# Altium PCB H204_without WiFi.PcbDoc (part 2 of 3)
Units mm, origin at the board's own origin, x right, y up, seen from the top; angles counter-clockwise.
Board outline 25 x 64 mm, 6 copper layers (Top Layer, Signal Layer 2, Internal Plane 3, Internal Plane 4, Signal Layer 5, Bottom Layer), stack 1.611 mm thick; 221 components, 142 nets, 826 pads, 353 vias.
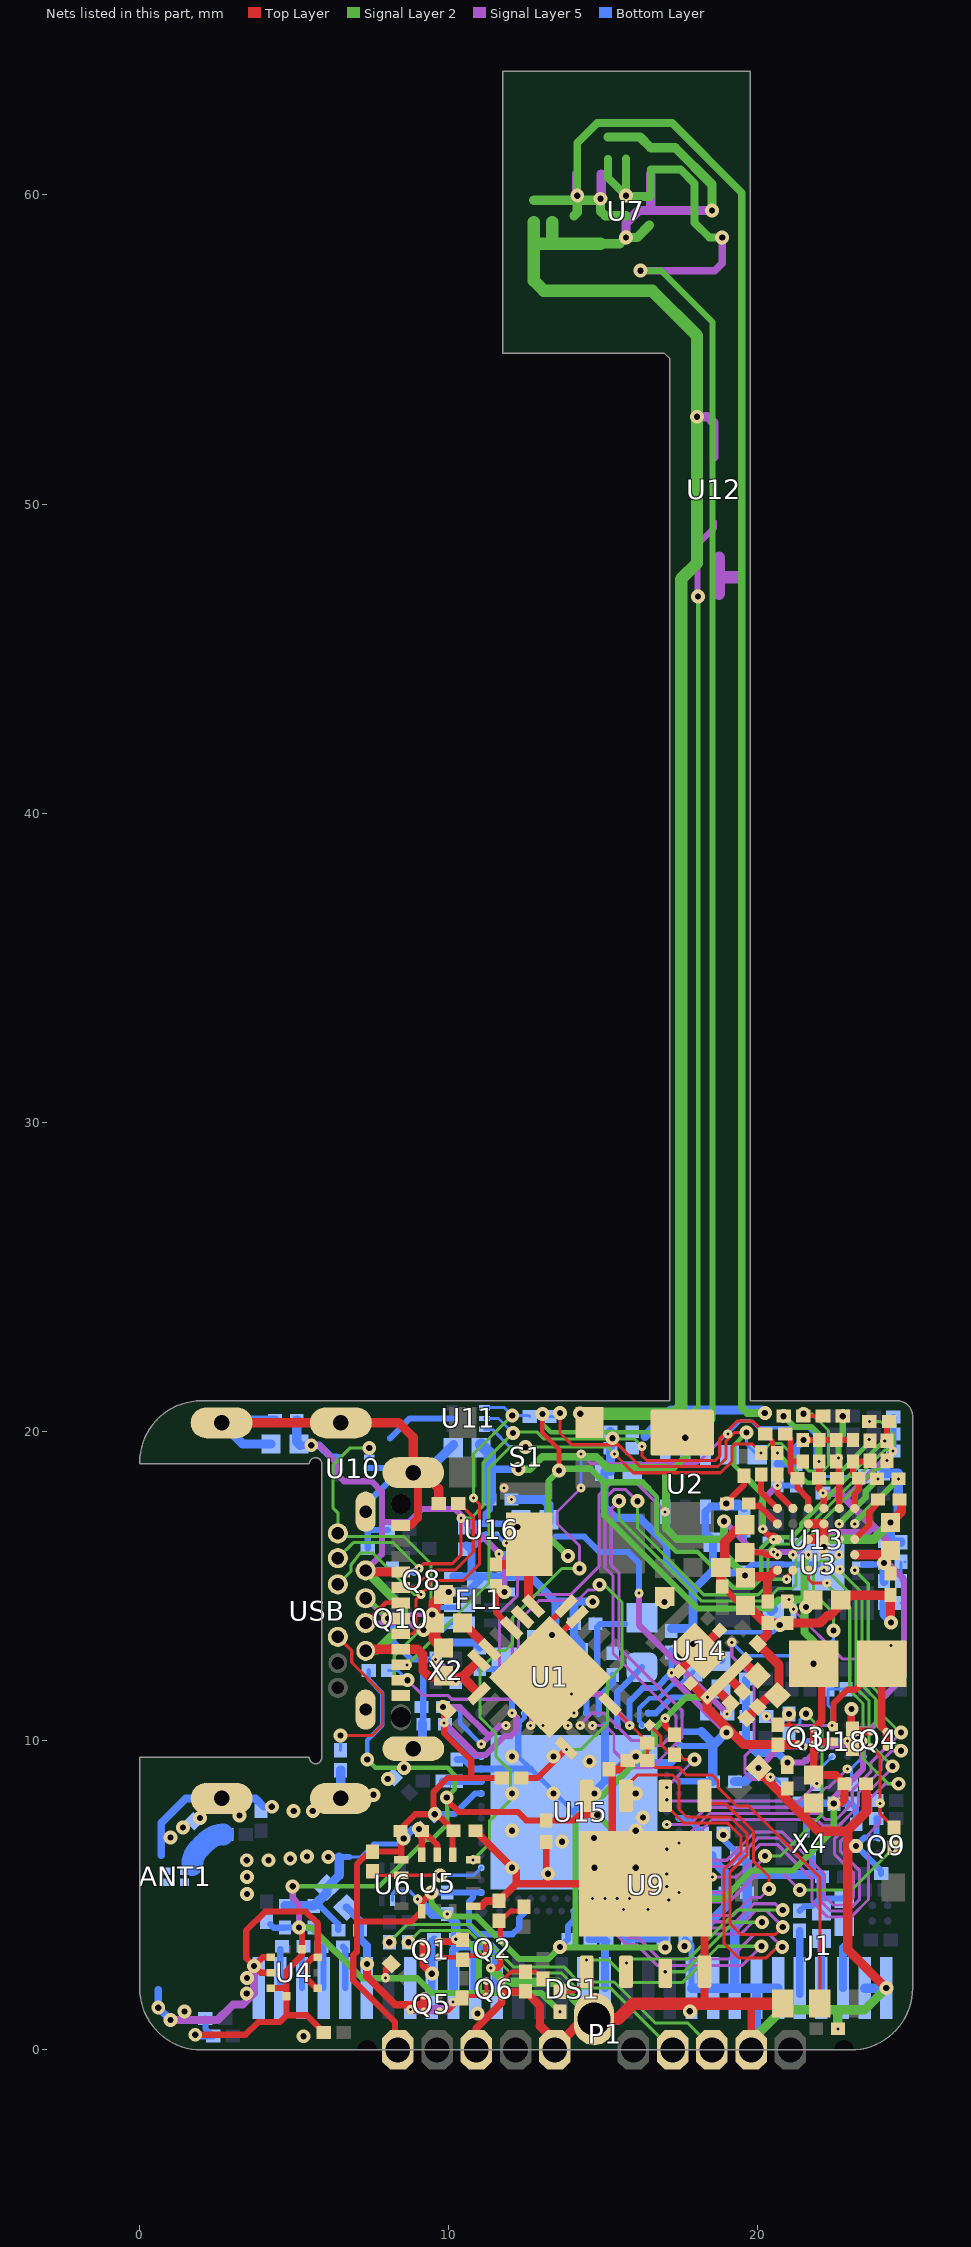
[diagram p6: the nets of this part, all layers, seen from the top]

## Part data (continued)
U3: "Integrated Circuit", Manufacturer=Maxim, Supplier Part Number 1=175-MAX32664GTGD+-ND, Manufacturer Part Number=MAX32664GTGD+, Pricing 1="490=4,49196 (USD)", RoHS=Yes, Supplier 1=Digi-Key
U4: "Pressure Sensor 30kPa to 125kPa Absolute 10-Pin LGA", Capacitance=4.7uF, Case/Package=LGA, Case Code (Imperial)=0805, Case Code (Metric)=2012, Continuous Drain Current (ID)=4A, Drain to Source Voltage (Vdss)=30V, Input Capacitance=645pF, Manufacturer="Bosch Sensortec", Max Operating Temperature=150°C, Max Power Dissipation=1.4W, Min Operating Temperature=-55°C, Operating Pressure=18.13PSI, Ratings=AEC-Q200, Supplier Part Number 1=828-1079-1-ND, Tolerance=20%, Voltage Rating=16V, Category="Pressure Sensors", ComponentLink1Description=https://ae-bst.resource.bosch.com/media/_tech/media/datasheets/BST-BMP388-DS001.pdf?src-supplier=Digi-Key, ComponentLink1URL=https://ae-bst.resource.bosch.com/media/_tech/media/datasheets/BST-BMP388-DS001.pdf?src-supplier=Digi-Key, ComponentLink2Description=https://ae-bst.resource.bosch.com/media/_tech/media/product_flyer/BST-BMP388-FL000-00.pdf?src-supplier=Digi-Key, ComponentLink2URL=https://ae-bst.resource.bosch.com/media/_tech/media/product_flyer/BST-BMP388-FL000-00.pdf?src-supplier=Digi-Key, ComponentLink3Description=https://ae-bst.resource.bosch.com/media/_tech/media/application_notes/BST-BMP380-HS000.pdf?src-supplier=Digi-Key, ComponentLink3URL=https://ae-bst.resource.bosch.com/media/_tech/media/application_notes/BST-BMP380-HS000.pdf?src-supplier=Digi-Key, Features="Soft Termination", Manufacturer Part Number=BMP388, Mount="Surface Mount", Number of Pins=10, Output Type=SPI,I2C, Packaging="Tape and Reel", Port Style="No Port", Pressure Type=Absolute, Pricing 1="1=3,990000, 5=3,520000, 10=3,108000, 25=2,522000, 50=2,228800, 100=2,170000 (USD)", Rds On Max=50mR, RoHS=No, Supplier 1=Digi-Key, Termination=SMD/SMT
U5: "BMI270 Series 3.6 V 685 µA Smart Ultra-low Power Inertial Measurement Unit", Manufacturer="Bosch Sensortec", Supplier Part Number 1=828-1091-1-ND, Manufacturer Part Number=BMI270, RoHS=No, Supplier 1=Digi-Key
U6 U10 U11: library part SP0505BAJTG, "ESD Suppressors Five CH Space Saving ESD Protect Device", Breakdown Voltage=6V, Capacitance=8.4pF, Clamping Voltage=15.6V, Manufacturer="Texas Instruments", Max Operating Temperature=125°C, Max Power Dissipation=40W, Min Operating Temperature=-40°C, Operating Supply Voltage=5.5V, Package Quantity=5000, Peak Pulse Current=10A, Power Line Protection=No, Resistor Type=Zener, Reverse Standoff Voltage=5V, Supplier Part Number 1=296-43577-1-ND, Category="Integrated Circuits (ICs)", ComponentLink1Description=https://datasheet.ciiva.com/6577/tpd5e003-6577651.pdf?src-supplier=Digi-Key, ComponentLink1URL=https://datasheet.ciiva.com/6577/tpd5e003-6577651.pdf?src-supplier=Digi-Key, Diode Type=ZENER, Direction=Unidirectional, Lead Free="Lead Free", Manufacturer Part Number=TPD5E003DPFR, Min Breakdown Voltage=6V, Mount="Surface Mount", Number of Bidirectional Channels=4, Number of Channels=5, Number of Pins=6, Number of Unidirectional Channels=5, Packaging="Tape and Reel", Peak Pulse Power=40W, Polarity=Unidirectional, Pricing 1="1=0,65000, 10=0,56000, 100=0,41850, 500=0,32882, 1000=0,25408, 2000=0,24675 (USD)", RoHS=Yes, RoHS Compliant=Yes, Series=-, Stock 1=1694, Supplier 1=Digi-Key, Termination=SMD/SMT, Working Voltage=5V
U7: "Analog Circuit, 1 Func", Manufacturer=Maxim, Max Operating Temperature=85°C, Max Supply Voltage=2V, Min Operating Temperature=-40°C, Min Supply Voltage=1.7V, Supplier Part Number 1=MAX30101EFD+-ND, Category=Sensors, ComponentLink1Description=http://www.farnell.com/datasheets/2064242.pdf?src-supplier=Farnell, ComponentLink1URL=http://www.farnell.com/datasheets/2064242.pdf?src-supplier=Farnell, ComponentLink2Description=http://www.farnell.com/datasheets/2064242.pdf?src-supplier=Element14, ComponentLink2URL=http://www.farnell.com/datasheets/2064242.pdf?src-supplier=Element14, ComponentLink3Description=https://datasheets.maximintegrated.com/en/ds/MAX30101.pdf?src-supplier=Digi-Key, ComponentLink3URL=https://datasheets.maximintegrated.com/en/ds/MAX30101.pdf?src-supplier=Digi-Key, ComponentLink4Description=http://datasheets.maximintegrated.com/en/ds/MAX30101.pdf?src-supplier=Newark, ComponentLink4URL=http://datasheets.maximintegrated.com/en/ds/MAX30101.pdf?src-supplier=Newark, ComponentLink5Description=http://datasheets.maximintegrated.com/en/ds/MAX30101.pdf?src-supplier=Mouser, ComponentLink5URL=http://datasheets.maximintegrated.com/en/ds/MAX30101.pdf?src-supplier=Mouser, ComponentLink6Description=http://datasheets.maximintegrated.com/en/ds/MAX30101.pdf?src-supplier=Avnet+Europe, ComponentLink6URL=http://datasheets.maximintegrated.com/en/ds/MAX30101.pdf?src-supplier=Avnet+Europe, ComponentLink7Description=http://datasheets.maximintegrated.com/en/ds/MAX30101.pdf?src-supplier=Avnet, ComponentLink7URL=http://datasheets.maximintegrated.com/en/ds/MAX30101.pdf?src-supplier=Avnet, ComponentLink8Description=http://datasheets.maximintegrated.com/en/ds/MAX30101.pdf?src-supplier=Component+Sense, ComponentLink8URL=http://datasheets.maximintegrated.com/en/ds/MAX30101.pdf?src-supplier=Component+Sense, Manufacturer Part Number=MAX30101EFD+, Number of Pins=14, Pricing 1="1=8,97000, 10=8,10600, 25=7,72840, 364=6,40901, 728=5,84350, 1092=5,08950 (USD)", REACH SVHC="No SVHC", RoHS=Yes, Stock 1=3923, Supplier 1=Digi-Key
U9: "NOR Flash Serial (SPI, Dual SPI, Quad SPI) 3V/3.3V 128M-bit 16M x 8 6ns 8-Pin WSON EP T/R/Tray/Tube", Frequency=133MHz, Manufacturer=Winbond, Max Operating Temperature=85°C, Min Operating Temperature=-40°C, Supplier Part Number 1=W25Q128JVPIQ-ND, Category=Flash, ComponentLink1Description=http://www.winbond.com/resource-files/w25q128jv%20revf%2003272018%20plus.pdf?src-supplier=Digi-Key, ComponentLink1URL=http://www.winbond.com/resource-files/w25q128jv%20revf%2003272018%20plus.pdf?src-supplier=Digi-Key, Manufacturer Part Number=W25Q128JVPIQ, Memory Size=128Mb, Memory Type=Non-Volatile,FLASH, Mount="Surface Mount", Packaging=Rail/Tube, Pricing 1="1=1,97000, 10=1,79800, 25=1,74960, 50=1,74080, 100=1,55600, 250=1,55152, 500=1,52810, 1000=1,46322, 5000=1,36231 (USD)", RoHS=Yes, RoHS Compliant=Yes, Stock 1=2886, Supplier 1=Digi-Key
U12: "±0.1°C accurate digital temperature sensor with integrated NV memory 6-WSON 0 to 85", Manufacturer="Texas Instruments", Max Operating Temperature=150°C, Min Operating Temperature=-55°C, Supplier Part Number 1=296-52215-1-ND, Category="Integrated Circuits (ICs)", ComponentLink1Description=http://www.ti.com/lit/gpn/tmp117?src-supplier=Digi-Key, ComponentLink1URL=http://www.ti.com/lit/gpn/tmp117?src-supplier=Digi-Key, Manufacturer Part Number=TMP117MAIDRVT, Mount="Surface Mount", Output Type=I2C, Packaging="Tape and Reel", Pricing 1="1=4,89000, 5=4,31400, 10=3,81100, 25=3,09160, 50=2,73220, 100=2,66030 (USD)", Resolution=16b, RoHS=Yes, RoHS Compliant=Yes, Stock 1=4230, Supplier 1=Digi-Key
U13: "Biopotential/bioz Afe, WLP-30", Manufacturer=Maxim, Manufacturer_Name="Maxim Integrated", Mouser Part Number=700-MAX30001CWV+, Supplier Part Number 1=MAX30001CWV+-ND, Category=Sensors, Datasheet Link=https://datasheets.maximintegrated.com/en/ds/MAX30001.pdf, Height=0.69mm, Manufacturer_Part_Number=MAX30001CWV+, Manufacturer Part Number=MAX30001CWV+, Mouser Price/Stock=https://www.mouser.co.uk/ProductDetail/Maxim-Integrated/MAX30001CWV%2b?qs=gt1LBUVyoHlQ9wjGIPyD2Q%3D%3D, Pricing 1="1=9,16000 (USD)", RoHS=Yes, RoHS Compliant=Yes, Stock 1=1, Supplier 1=Digi-Key
U14: "Conv DC-DC Single Step Down 2V to 6V 6-Pin CL-2025-02 T/R", Manufacturer=Torex, Max Input Voltage=6V, Max Operating Temperature=85°C, Max Output Current=600mA, Min Input Voltage=2V, Min Operating Temperature=-40°C, Mouser Part Number=865-XCL206A333CR-G, Supplier Part Number 1=893-1403-1-ND, Voltage - Output 1=3.3V, Category="Board Mount Modules", ComponentLink1Description=https://www.torexsemi.com/file/xcl206/XCL205-XCL206-XL207.pdf?src-supplier=Digi-Key, ComponentLink1URL=https://www.torexsemi.com/file/xcl206/XCL205-XCL206-XL207.pdf?src-supplier=Digi-Key, Datasheet Link=https://www.torexsemi.com/file/xcl206/XCL205-XCL206-XCL207.pdf, Efficiency=90%, Height=1.04mm, Manufacturer_Name=Torex, Manufacturer_Part_Number=XCL206A333CR-G, Manufacturer Part Number=XCL206A333CR-G, Mount="Surface Mount", Mouser Price/Stock=https://www.mouser.co.uk/ProductDetail/Torex-Semiconductor/XCL206A333CR-G/?qs=AsjdqWjXhJ9IhOCsNg2OkA%3D%3D, Number of Outputs=1, Packaging="Cut Tape", Pricing 1="1=2,74000, 10=2,45800, 25=2,31880, 100=1,97560, 250=1,85500, 500=1,62312, 1000=1,34488 (USD)", RoHS=Yes, RoHS Compliant=Yes, Stock 1=3329, Supplier 1=Digi-Key
U15: "Multi-protocol Bluetooth Low Energy, IEEE 802.15.4, ANT and 2.4GHz proprietary system-on-chip", Manufacturer="Nordic Semiconductor", Manufacturer Part Number=NRF5340-QKAA-R, Supplier Part Number 1=1490-NRF5340-QKAA-RDKR-ND, Category="RF Receivers, Transceivers", Component Class=nRF_Devices, Footprint Doc=AQFN-98, Pad Count=98, Part Number=nRF5340-QKAA, Pricing 1="1=8,66000, 10=7,93800, 25=7,21600, 100=6,49440, 250=5,95320, 500=5,41200, 1000=4,92000 (USD)", Supplier 1=Digi-Key
U16: library part LP5907UVX-1.6_NOPB, "IC REG LINEAR 1.8V 250MA 4DSBGA", Case/Package=SMD/SMT, Dropout Voltage=50mV, Manufacturer="Texas Instruments", Manufacturer Part Number=LP5907UVX-1.8/NOPB, Max Input Voltage=5.5V, Max Operating Temperature=125°C, Max Output Current=250mA, Min Input Voltage=2.2V, Min Operating Temperature=-40°C, Output Voltage=1.8V, Package Quantity=3000, Quiescent Current=25uA, Supplier Part Number 1=296-35634-1-ND, Accuracy=2%, Category="Voltage Regulators - Linear", ComponentLink1Description=https://datasheet.ciiva.com/6597/lp5907-6597398.pdf?src-supplier=Digi-Key, ComponentLink1URL=https://datasheet.ciiva.com/6597/lp5907-6597398.pdf?src-supplier=Digi-Key, ComponentLink2Description=https://datasheet.ciiva.com/14278/lp5907-14278557.pdf?src-supplier=Avnet, ComponentLink2URL=https://datasheet.ciiva.com/14278/lp5907-14278557.pdf?src-supplier=Avnet, Lead Free="Lead Free", Mount="Surface Mount", Number of Outputs=1, Output Type=Fixed, Packaging="Tape and Reel", Polarity=Positive, Pricing 1="1=0,69000, 10=0,59200, 25=0,55280, 100=0,44220, 250=0,41064, 500=0,34746, 1000=0,26850 (USD)", Radiation Hardening=No, RoHS=Yes, RoHS Compliant=Yes, Supplier 1=Digi-Key
U18: "UNIVERSAL BI-DIRECTIONALEVEL", High Level Output Current=-20uA, Low Level Output Current=1mA, Manufacturer=Diodes, Manufacturer_Name="Diodes Inc.", Max Operating Temperature=85°C, Min Operating Temperature=-40°C, Mouser Part Number=729-PI4ULS3V204GAEX, Supplier Part Number 1=PI4ULS3V204GAEXDICT-ND, Arrow Part Number=PI4ULS3V204GAEX, Arrow Price/Stock=https://www.arrow.com/en/products/pi4uls3v204gaex/diodes-incorporated, Category="Integrated Circuits (ICs)", ComponentLink1Description=https://www.diodes.com/assets/Datasheets/PI4ULS3V204.pdf?src-supplier=Digi-Key, ComponentLink1URL=https://www.diodes.com/assets/Datasheets/PI4ULS3V204.pdf?src-supplier=Digi-Key, ComponentLink2Description=https://www.pericom.com/assets/Datasheets/PI4ULS3V204.pdf?src-supplier=Avnet+Asia, ComponentLink2URL=https://www.pericom.com/assets/Datasheets/PI4ULS3V204.pdf?src-supplier=Avnet+Asia, Datasheet Link=https://www.diodes.com/assets/Datasheets/PI4ULS3V204.pdf, Height=0.625mm, Lead Free="Lead Free", Logic Function="Level Shifter", Manufacturer_Part_Number=PI4ULS3V204GAEX, Manufacturer Part Number=PI4ULS3V204GAEX, Mount="Surface Mount", Mouser Price/Stock=https://www.mouser.co.uk/ProductDetail/Diodes-Incorporated/PI4ULS3V204GAEX?qs=A65YvgP4j%252BEWb8XHzZsSTA%3D%3D, Packaging="Tape and Reel", Pricing 1="1=1,05000, 10=0,93800, 25=0,89040, 100=0,73140, 250=0,68368, 500=0,60420, 1000=0,47700 (USD)", RoHS=Yes, RoHS Compliant=Yes, Stock 1=3000, Supplier 1=Digi-Key
USB: library part 1054500101, "TE CONNECTIVITY         2129691-1             USB, 3.1 TYPE C, 24POS, RCPT, SMT/TH", Contact Current Rating=5A, Housing Color=Black, Manufacturer="TE Connectivity AMP", Manufacturer Part Number=2129691-1, Max Operating Temperature=85°C, Min Operating Temperature=-30°C, Supplier Part Number 1=A122008DKR-ND, Category=Connectors, Circuit Application=Signal, ComponentLink1Description=http://www.farnell.com/datasheets/1993946.pdf?src-supplier=Farnell, ComponentLink1URL=http://www.farnell.com/datasheets/1993946.pdf?src-supplier=Farnell, ComponentLink2Description=https://media.digikey.com/pdf/Data%20Sheets/Tyco%20Electonics%20AMP%20PDFs/2129691_Dwg.pdf?src-supplier=Digi-Key, ComponentLink2URL=https://media.digikey.com/pdf/Data%20Sheets/Tyco%20Electonics%20AMP%20PDFs/2129691_Dwg.pdf?src-supplier=Digi-Key, ComponentLink3Description=http://www.farnell.com/datasheets/2292385.pdf?src-supplier=Farnell, ComponentLink3URL=http://www.farnell.com/datasheets/2292385.pdf?src-supplier=Farnell, ComponentLink4Description=http://www.alliedelec.com/images/products/datasheets/bm/TE_Connectivity/70718395.pdf?src-supplier=Allied+Electronics, ComponentLink4URL=http://www.alliedelec.com/images/products/datasheets/bm/TE_Connectivity/70718395.pdf?src-supplier=Allied+Electronics, ComponentLink5Description=http://www.farnell.com/cad/1993947.pdf?src-supplier=Element14, ComponentLink5URL=http://www.farnell.com/cad/1993947.pdf?src-supplier=Element14, ComponentLink6Description=http://www.farnell.com/datasheets/1993946.pdf?src-supplier=Element14, ComponentLink6URL=http://www.farnell.com/datasheets/1993946.pdf?src-supplier=Element14, ComponentLink7Description=http://www.farnell.com/datasheets/2292385.pdf?src-supplier=Newark, ComponentLink7URL=http://www.farnell.com/datasheets/2292385.pdf?src-supplier=Newark, ComponentLink8Description=http://www.te.com/commerce/DocumentDelivery/DDEController?Action=showdoc&DocId=Customer+Drawing%7F2129691%7F6%7Fpdf%7FEnglish%7FENG_CD_2129691_6.pdf%7F2129691-1&src-supplier=Avnet, ComponentLink8URL=http://www.te.com/commerce/DocumentDelivery/DDEController?Action=showdoc&DocId=Customer+Drawing%7F2129691%7F6%7Fpdf%7FEnglish%7FENG_CD_2129691_6.pdf%7F2129691-1&src-supplier=Avnet, Connector System=Cable-to-Board, Connector Type=Receptacle, Contact Material="Copper Alloy", Contact Plating=Gold, Gender=Receptacle, Housing Material=Thermoplastic, Lead Free="Lead Free", Length=12.35mm, Mount="Surface Mount", Number of Pins=24, Number of Ports=1, Number of Positions=24, Orientation="Right Angle", Packaging="Tape and Reel", Pitch=0.5mm, Plating=Bright, Plating Thickness=0.75um, Pricing 1="1=2,89000, 10=2,77000, 25=2,53880, 50=2,42340, 100=2,30810, 250=2,01956, 500=1,96186 (USD)", REACH SVHC=Unknown, RoHS=Yes, RoHS Compliant=Yes, Supplier 1=Digi-Key, Termination=Solder, USB Standard="USB 3.1"
X1 X3: library part XTAL_SMD2016_32MHz_8pF_Epson, "Crystal 32.7680Khz 6Pf Smd / Tape & Reel (Tr) Rohs Compliant: Yes", Manufacturer="ECS International", Supplier Part Number 1=XC2284CT-ND, Manufacturer Part Number=ECS-.327-7-1210-TR, Pricing 1="1=1,63000, 10=1,56100, 50=1,52460, 100=1,30680, 500=1,27050, 1000=1,07085, 2500=1,01640 (USD)", RoHS=Yes, Stock 1=200, Supplier 1=Digi-Key
X2: library part XTAL_SMD2016_32MHz_8pF_General, "Crystal 32MHz 7pF ±20ppm ±20ppm 4-Pin Ultraminiature CSMD T/R", Manufacturer="ECS International", Manufacturer Part Number=ECS-320-7-48B-JTM-TR5, Supplier Part Number 1=50-ECS-320-7-48B-JTM-TR5CT-ND, Category=Uncategorized, Component Class=Oscillators, Footprint Doc=XTAL_2016, Pad Count=4, Part Number=XTAL_SMD2016_32MHz_8pF_General, Pricing 1="1=1,25000, 10=1,19500, 50=1,16760, 100=1,00080, 500=0,97300, 1000=0,82010, 2500=0,77840 (USD)", RoHS=No, Stock 1=4973, Supplier 1=Digi-Key
X4: "Oscillator MEMS 0.032768MHz ±100ppm (Stability) LVCMOS 52% 1.8V/2.5V/3.3V 4-Pin SMD T/R", Case/Package=SMD/SMT, Current Rating=1.35uA, Frequency=32.768kHz, Frequency Stability=100ppm, Load Capacitance=10pF, Manufacturer=SiTime, Max Operating Temperature=85°C, Max Supply Current=1.4uA, Max Supply Voltage=3.63V, Min Operating Temperature=-40°C, Min Supply Voltage=1.5V, Mouser Part Number=788-1533AIH4DCC32.76, Package Quantity=1000, Supplier Part Number 1=1473-1239-1-ND, Arrow Part Number=SIT1533AI-H4-DCC-32.768E, Arrow Price/Stock=https://www.arrow.com/en/products/sit1533ai-h4-dcc-32.768e/sitime, Category=Oscillators, ComponentLink1Description=http://www.mouser.com/ds/2/371/SiT1533-datasheet-275337.pdf?src-supplier=Mouser, ComponentLink1URL=http://www.mouser.com/ds/2/371/SiT1533-datasheet-275337.pdf?src-supplier=Mouser, ComponentLink2Description=http://components.arrow.com/part/dataview/0323_07137603?src-supplier=Arrow+Europe, ComponentLink2URL=http://components.arrow.com/part/dataview/0323_07137603?src-supplier=Arrow+Europe, ComponentLink3Description=https://www.sitime.com/datasheet/SiT1533?src-supplier=Digi-Key, ComponentLink3URL=https://www.sitime.com/datasheet/SiT1533?src-supplier=Digi-Key, Datasheet Link=https://www.sitime.com/datasheet/SiT1533, Height=0.6mm, Length=0.079inch, Manufacturer_Name=SiTime, Manufacturer_Part_Number=SIT1533AI-H4-DCC-32.768E, Manufacturer Part Number=SIT1533AI-H4-DCC-32.768E, Max Duty Cycle=52%, Mount="Surface Mount", Mouser Price/Stock=https://www.mouser.co.uk/ProductDetail/SiTime/SiT1533AI-H4-DCC-32768E?qs=5SDzjInHUKoUZz9ePr9JwA%3D%3D, Number of Pins=4, Packaging="Tape and Reel", Pricing 1="1=1,10000, 10=0,97500, 50=0,91160, 100=0,80560, 500=0,76320 (USD)", RoHS=Yes, RoHS Compliant=Yes, Stock 1=75387, Supplier 1=Digi-Key, Termination=SMD/SMT, Width=0.047inch

## Free pads (board coordinates)
  rect 0.3x0.25 on Mech16: 1(1.45,5.776) 1(1.45,5.426)
  rect 0.47x0.42 on Mech16: 1(3.436,6.968) 1(9.161,8.693) 2(2.796,6.968) 2(9.801,8.693)
  rect 0.42x0.47 on Mech16: 1(3.928,7.093)
  rect 0.45x0.4 on Mech16 rot 135: 2(2.247,6.903) 2(8.714,8.326)
  rect 0.4x0.45 on Mech16: 2(10.258,8.692)

## Via types
v1: diameter 0.3, hole 0.1, Signal Layer 5 to Bottom Layer, tented both sides, 123 vias
v2: diameter 0.45, hole 0.2, Top Layer to Bottom Layer, tented both sides, 108 vias
v3: diameter 0.3, hole 0.1, Top Layer to Signal Layer 2, tented both sides, 55 vias
v4: diameter 0.45, hole 0.2, Signal Layer 5 to Bottom Layer, tented both sides, 32 vias
v5: diameter 0.45, hole 0.2, Top Layer to Signal Layer 2, tented both sides, 23 vias
v6: diameter 0.45, hole 0.2, Signal Layer 2 to Signal Layer 5, tented both sides, 12 vias

## Nets (pads, with @x,y where several pads share a name; then routed paths per layer and width w, separated by ;. In a path a pad name is that pad's centre, name@x,y a point inside that pad or via, vN(x,y) a via of type N, cw(c..) or ccw(c..) an arc to the next point about the centre after c; other vN are vias at no path point)
1.8V: C31.1 C34.1 C35.1 C36.1 C40.1 C57.1 C58.1 C61.1 C69.1 C70.1 C74.1 C79.1 C83.1 C85.1 C101.2 C102.1 R35.1 R36.1 R41.1 R42.1 R45.1 R48.1 R49.1 R50.1 U3.11 U3.22 U7.11 U13.D6 U13.E1 U16.A2 U18.B2 U18.C2 | length 101.5
  Top Layer w0.3: C57.1@19.618,15.31 20.31,15.31 ; C79.1@20.31,14.508 20.31,15.31 ; U13.E1@20.55,15.5 20.36,15.31 20.31,15.31 ; U13.E1@20.55,15.517 U13.E1@20.628,15.517 ; U13.D6@23.128,16.017 C61.1@24.145,16.017
  Signal Layer 5 w0.2: v2(18.901,17.101) 19.897,16.105 v1(20.498,16.105) 21.255,16.105 21.9,16.75 23.559,16.75 23.733,16.924 ; v2(20.951,9.3) 21.455,9.3 21.53,9.376 21.559,9.347 22.033,9.821 22.729,9.821 v1(22.9,9.992) 23.284,10.376 23.63,10.376 23.9,10.646 23.9,11.254 24.726,12.08 24.726,15.226 v2@24.197,15.755 ; 22.85,17.856 v1(24.37,19.376)
  Signal Layer 5 w0.25: v6(15.73,59.976) U7.11@15.73,60.676 ; v6(16.2,57.55) 18.598,57.55 18.842,57.794 v6(18.842,58.626) ; v1(22.103,18.01) 22.647,18.01 23.733,16.924 ; 23.45,17.207 24.197,16.46 v2@24.197,15.755
  Signal Layer 2 w0.2: v6(16.2,57.55) 16.867,57.55 18.525,55.892 18.525,20.4 18.325,20.2 18.325,19.854 17.294,18.824 17.025,18.824
  Signal Layer 2 w0.25: v2(12.258,18.785) 12.621,18.785 13.024,19.188 14.771,19.188 15.135,18.824 17.025,18.824 17.025,16.869 17.374,16.52 18.901,16.52 18.901,16.325 18.9,16.025 19.574,15.351 v5(19.576,15.351) ; C85.1@15.15,61.172 15.15,60.556 v6(15.73,59.976) ; C102.1@15.73,61.176 v6(15.73,59.976) ; C40.1@16.493,59.926 15.78,59.926 v6(15.73,59.976) ; v6(18.842,58.626) 18.424,58.626 17.948,59.102 17.948,60.37 17.492,60.826 C101.2@16.53,60.826 16.53,59.976 v6(15.73,59.976) ; 18.9,16.55 v2@18.9,17.097
  Bottom Layer w0.2: C74.1@10.573,17.02 U16.A2@11.194,17.02 11.194,17.348 11.323,17.477 C34.1@11.323,17.805 ; C31.1@19.55,16.805 C70.1@19.55,16.142 19.587,16.105 v1(20.498,16.105) ; U18.C2@22.4,9.992 v1(22.9,9.992) ; U3.22@23.398,15.705 24.147,15.705 C69.1@24.197,15.755 ; v1(24.37,19.376) 24.38,19.386 R49.1@24.38,19.92 R48.1@24.38,20.476
  Bottom Layer w0.25: 11.323,18.758 11.35,18.785 v2(12.258,18.785) ; R45.1@19.614,11.992 R42.1@19.614,10.102 19.614,9.95 19.963,9.601 20.65,9.601 v2(20.951,9.3)
  Bottom Layer w0.3: C35.1@24.074,15.162 v2(24.074,15.755)
  Bottom Layer w0.4: C36.1@11.049,19.576 11.323,19.302 11.323,18.758 C34.1@11.323,17.805
3.3V: C7.1 C37.1 C41.1 C46.1 C50.1 C55.1 C56.1 C68.1 C75.1 C97.2 C98.1 C105.1 D3.2 LS1.2 Q1.S Q3.D R15.2 R19.1 R20.1 R21.1 R24.1 R28.1 R29.1 R30.1 R33.1 R60.1 R61.1 R70.1 R71.1 R74.1 U4.1 U4.6 U4.10 U9.8 U12.5 U13.D3 U16.A1 U18.A2 X4.4 | length 139.7
  Top Layer w0.15: v5(13.026,20.575) 13.026,19.962 13.563,19.425 v5(13.563,18.738)
  Top Layer w0.2: v2(1.797,0.492) 3.421,0.492 3.83,0.901 4.531,0.901 4.75,1.12 ; U4.10@4.238,2 4.73,2 4.75,1.98 ; v2(5.15,3.961) 5.25,3.861 U4.6@5.25,3.263 5.25,3.055 4.75,2.555 4.75,1.98 ; R71.1@5.955,0.567 5.402,1.12 4.75,1.12 ; v3(7.95,2.331) 7.95,2.593 R70.1@8.139,2.781 ; v3(9.673,3.499) R15.2@10.378,3.499 ; v5(9.932,8.17) 9.932,8.084 10.316,7.7 12.231,7.7 12.505,7.426 12.6,7.426 C7.1@13.15,7.426 14.042,7.426 14.216,7.6 v5@14.635,7.6 ; v3(24.101,19.701) 24.168,19.701 24.173,19.696 R60.1@24.177,19.7 24.177,20.259 R61.1@24.243,20.325 ; 4.75,1.12 U4.1@4.75,1.737 4.75,1.98
  Top Layer w0.25: LS1.2@22.007,12.375 22.007,12.105 22.065,12.047 22.065,10.647 Q3.D@21.8,10.382 Q3.D@21.8,9.882 ; D3.2@22.44,9.965 21.883,9.965 Q3.D@21.8,9.882 ; v2(22.45,7.976) 22.676,7.976 22.8,8.1 C56.1@22.8,8.612 22.522,8.89 C46.1@21.8,8.89 Q3.D@21.8,9.882
  Signal Layer 5 w0.2: v2(4.95,5.292) 4.95,4.918 5.15,4.718 v2(5.15,3.961) ; v4(12.215,16.917) 12.91,16.917 v2(13.85,15.978) ; C68.1@18.039,47.1 C97.2@18.039,48.275 18.039,48.689 18.575,49.225 U12.5@18.575,49.425 ; v2(22.45,7.976) 22.45,8.15 23.4,9.1 v1(23.4,9.992)
  Signal Layer 2 w0.15: v2(4.95,5.292) 7.743,5.292 9.25,6.8 9.441,6.8 9.943,7.302 9.943,7.458 9.945,7.46 9.945,8.157 v5(9.932,8.17) 10.193,8.431 10.193,8.89 9.958,9.125 7.627,9.125 v2(7.36,9.392) ; v5(13.026,20.575) 13.026,20.25 13.296,19.98 17.225,19.98 18.064,20.819 v6(18.064,47.014) ; 16.444,18.171 16.725,17.891 16.725,16.745 17.358,16.112 18.044,16.112 19.206,14.95 19.41,14.95 ; 19.41,14.951 19.742,14.951 ; 19.742,14.95 19.797,14.95 20.103,15.256 20.103,16.235 20.454,16.585 21.092,16.585 21.4,16.893 21.4,17.025 24.075,19.701 v3(24.101,19.701)
  Signal Layer 2 w0.2: v2(5.15,3.961) 5.551,3.961 7.192,2.32 8.975,2.32 9.457,1.838 12.997,1.838 v3(13.599,1.237) ; v3(9.673,3.499) 10.619,3.499 10.972,3.145 10.972,1.895 ; v2(13.85,15.978) 13.223,16.605 13.223,18.398 v5(13.563,18.738) 13.625,18.8 14.578,18.8 15.016,18.362 ; v5(14.8,7.6) 15.28,7.12 15.28,5.482 15.87,4.892 18.887,4.892 19.802,5.807 21.137,5.807 22.45,7.12 v2(22.45,7.976) ; 16.448,18.175 16.261,18.362 15.016,18.362 ; v3(21.007,14.567) 20.648,14.567 20.356,14.275 18.058,14.275 15.016,17.317 15.016,18.362
  Signal Layer 2 w0.25: v3(21.007,14.567) 21.501,14.567 ; v3(21.628,16.017) 21.628,15.985 21.501,15.857 21.501,14.567 ; v5(21.8,12.492) 21.8,13.213 21.501,13.512 21.501,14.567
  Bottom Layer w0.15: v2(7.36,9.392) 7.36,10.019 7.85,10.509 7.85,11.542 7.405,11.987 R74.1@7.405,12.275
  Bottom Layer w0.2: v2(1.797,0.492) 1.845,0.444 R21.1@2.376,0.444 2.128,0.692 R20.1@2.128,1.017 ; R24.1@4.223,4.067 4.335,3.955 4.695,3.955 C50.1@4.7,3.96 5.62,3.96 C55.1@5.625,3.955 ; U16.A1@11.544,17.02 C41.1@12.164,17.02 ; R29.1@21.329,7.969 21.573,7.969 X4.4@21.573,7.125 ; R33.1@23.029,7.956 23.175,7.81 C105.1@23.175,7.3
  Bottom Layer w0.25: R29.1@21.329,7.969 21.332,7.972 R28.1@21.9,7.972 21.904,7.976 v2(22.45,7.976) R33.1@22.896,7.976
  other v5: 21.548,14.329
5V_MAX: C24.1 C39.1 C84.1 C87.1 C95.1 C96.1 C99.2 C100.1 U2.1 U7.9 U7.10 | length 58.3
  Signal Layer 5 w0.3: U7.9@14.13,60.676 14.13,60 v6(14.154,59.976) ; v6(14.905,59.876) 14.93,59.901 U7.10@14.93,60.676
  Signal Layer 2 w0.25: v6(14.154,59.976) 14.154,61.679 14.801,62.326 17.224,62.326 19.475,60.075 19.475,20.78 19.649,20.606 v2(20.221,20.606)
  Signal Layer 2 w0.3: C100.1@12.75,59.826 C99.2@13.35,59.826 v6@14.154,59.826 ; C39.1@14.05,59.326 14.048,59.328 14.154,59.434 v6@14.154,59.826 ; v6(14.154,59.976) v6@14.154,59.826 ; v6(14.905,59.876) v6@14.905,59.826 ; C84.1@15.73,59.326 15.055,59.326 14.905,59.476 v6@14.905,59.826 ; v6@14.154,59.826 v6@14.905,59.826
  Bottom Layer w0.3: 16.348,19.85 17.198,20.7 20.127,20.7 v2(20.221,20.606)
5V_USB: C32.1 C45.1 C47.1 FL1.6 Q8.S R7.2 R11.1 U1.1 U1.24 U10.6 USB.A4 USB.A9 USB.B4 USB.B9 | length 37.1
  Top Layer w0.3: USB.B4@7.31,12.91 7.36,12.96 USB.A9@8.45,12.96 8.993,12.96 9.161,12.791 9.161,12.269 9.37,12.06 10.442,12.06 ; USB.B9@7.31,15.51 7.36,15.46 USB.A4@8.45,15.46 ; U1.1@10.972,11.53 10.442,12.06 ; U1.24@10.972,12.59 10.442,12.06
  Signal Layer 5 w0.2: v2(5.55,19.56) 5.802,19.56 6.361,19.001 6.361,18.644 6.61,18.395 7.5,18.395 7.835,18.06 7.835,16.035 USB.B9@7.31,15.51 ; 7.835,17.077 8.714,17.077 9.138,17.5 10.193,17.5 11.626,16.067 v1(11.626,16.046) 11.798,15.875 v4(11.798,14.812) ; v1(16.15,14.776) 16.15,13.745 17.55,12.345 17.55,12.315 v1(18.998,10.867)
  Signal Layer 2 w0.3: USB.B4@7.31,12.91 7.335,12.935 7.703,12.935 8.529,13.761 8.529,14.291 USB.B9@7.31,15.51
  Bottom Layer w0.2: USB.B9@7.31,15.51 8.124,15.51 R7.2@8.173,15.559 8.272,15.46 Q8.S@8.873,15.46 ; v1(11.626,16.046) 12.896,16.046 13.453,16.603 14.384,16.603 14.882,16.105 15.803,16.105 16.15,15.758 v1(16.15,14.776)
  Bottom Layer w0.25: C45.1@5.19,19.56 v2(5.55,19.56) 5.802,19.56 6.192,19.17 U10.6@6.375,19.17
  Bottom Layer w0.3: C47.1@5.08,20.376 5.08,19.67 C45.1@5.15,19.6 C45.1@5.19,19.56
+V_NRF: C1.1 C2.1 C9.1 C12.1 C13.1 C14.1 C15.1 C16.1 C17.1 C18.1 C42.2 C43.1 C44.1 C48.1 C49.1 C103.1 C104.1 P1.1 Q3.S R17.2 R18.2 R25.1 R27.1 R62.2 U5.5 U5.8 U5.12 U14.3 U14.8 U15.A19 U15.AC1 U15.AG1 U15.AJ31 U15.AL3 U15.AL7 U15.AL11 U15.AL17 U15.AL25 U15.B8 U15.B28 U15.C1 U15.E1 U15.E31 U15.L1 U15.N31 U15.U1 | length 88.7
  Top Layer w0.2: P1.1@8.263,0.589 8.263,0.901 6.909,2.255 6.909,3.06 7.025,3.176 7.025,4.157 ; U5.8@8.461,6.15 8.461,6.65 ; v2(9.437,5.092) 9.124,4.779 U5.12@9.124,4.488 8.793,4.157 7.025,4.157 ; R62.2@9.947,10.986 9.85,10.889 9.85,10.247 10.724,9.374 10.723,8.8 ; U5.5@10.124,6.313 10.124,7.059 C49.1@10.157,7.092 9.64,7.609 9.601,7.57 v2(9.545,7.625) ; R17.2@11.705,8.797 9.958,8.797 9.507,8.346 9.507,7.663 v2(9.545,7.625) ; v3(16.999,10.727) 16.999,10.491 R25.1@17.3,10.19 ; 7.025,4.157 7.025,6.002 7.437,6.414 R27.1@7.525,6.414 8.461,6.414 8.461,6.65 ; 8.461,6.65 8.461,7.178 8.909,7.625 v2(9.545,7.625)
  Top Layer w0.3: U14.3@17.824,11.858 U14.8@18.363,11.318 ; U14.8@18.686,11.651 C43.1@19.123,11.215 ; C42.2@19.503,11.59 19.066,12.026 U14.8@18.982,12.026 v3(18.363,11.407) U14.8@18.363,11.318 ; U14.8@19.556,12.545 C44.1@19.992,12.108 ; Q3.S@21.3,9.882 19.539,9.882 18.363,11.058 U14.8@18.363,11.318
  Signal Layer 5 w0.2: v2(9.813,11.095) 9.815,11.092 10.352,11.092 11.3,10.144 ; v1(11.048,9.892) 11.3,10.144 ; v1(11.848,10.492) 11.648,10.492 11.3,10.144 ; v1(13.974,11.516) 14.871,11.516 15.848,10.539 v1(15.848,10.492) ; v1(17.2,12.2) 17.2,12.05 v2(18.977,10.273)
  Signal Layer 2 w0.2: v2(9.437,5.092) 9.437,4.749 9.874,4.312 10.903,4.312 12.277,2.938 13.208,2.938 v2(13.596,3.326) 13.611,3.311 v2(16.998,3.311) ; 14.1,3.326 14.1,7.509 14.799,8.208 14.938,8.208 16.644,9.914 16.644,10.372 v3(16.999,10.727) 17.679,11.407 v3(18.363,11.407)
  Bottom Layer w0.15: v2(9.813,11.095) 10.23,11.095 10.369,10.956 10.369,10.565 11.041,9.892 v1(11.048,9.892)
  Bottom Layer w0.2: v2(9.437,5.092) C18.1@9.95,5.092 10.786,5.092 ; v2(9.545,7.625) C16.1@9.547,7.627 10.177,7.627 10.842,8.292 U15.N31@11.048,8.292 ; U15.AJ31@11.048,5.092 10.786,5.092 ; U15.AL25@12.448,4.492 12.448,4.446 12.275,4.273 12.275,3.96 12.057,3.742 10.973,3.742 10.648,4.067 10.648,4.796 10.786,4.934 10.786,5.092 ; v2(13.596,3.326) 13.85,3.58 13.85,4.005 14.048,4.203 U15.AL17@14.048,4.492 ; U15.A19@13.648,10.892 13.648,11.19 v1(13.974,11.516) 14.3,11.842 C1.1@14.3,12.23 ; U15.AL11@15.248,4.492 15.248,4.363 15.65,3.961 ; v1(15.848,10.492) 15.848,11.28 16.273,11.705 16.705,11.705 v1(17.2,12.2) C2.1@17.2,12.93 ; U15.AL7@16.048,4.492 16.048,4.359 15.65,3.961 ; U15.AL3@16.848,4.492 16.95,4.39 16.95,4.011 ; C9.1@16.95,3.58 15.875,3.58 C13.1@15.8,3.505 15.65,3.655 15.65,3.961 ; U15.AG1@17.448,5.492 17.698,5.492 18.11,5.08 C14.1@18.95,5.08 ; U15.AC1@17.448,6.292 18.5,6.292 18.298,6.494 18.298,6.927 17.733,7.492 U15.U1@17.448,7.492 ; U15.L1@17.448,8.692 C104.1@18.538,8.692 ; U15.E1@17.448,9.892 17.507,9.833 18.538,9.833 18.538,9.892 ; U15.C1@17.448,10.292 18.173,10.292
  Bottom Layer w0.3: C9.1@16.95,3.58 16.95,4.011 16.981,4.042 18.356,4.042 18.95,4.637 C14.1@18.95,5.08 18.95,5.736 18.5,6.186 C103.1@18.5,6.292 ; 18.173,10.292 18.538,9.928 18.538,9.892 ; C104.1@18.538,8.692 18.538,9.833 v2(18.977,10.273)
ANT: C20.2 L6.2 U15.L31 | length 1.2
  Bottom Layer w0.25: L6.2@9.801,8.693 C20.2@10.258,8.692 U15.L31@11.048,8.692
BMA456_INT: R74.2 U10.1 U15.B24 USB.A11 USB.B11 | length 17.7
  Signal Layer 5 w0.1: v2(8.666,11.96) 9.156,11.47 9.968,11.47 10.096,11.342 12.234,11.342 12.648,10.928 v1(12.648,10.492)
  Signal Layer 2 w0.1: v2(7.425,19.474) 6.808,19.474 6.25,18.916 6.25,17.54 6.41,17.38 USB.B11@6.41,16.71 6.41,16.61 8.54,16.61 9.424,15.726 9.424,13.934 8.235,12.745 8.235,12.088 8.363,11.96 v2(8.666,11.96)
  Bottom Layer w0.1: U10.1@7.425,19.17 v2(7.425,19.474) ; R74.2@8.045,12.275 8.351,12.275 v2(8.666,11.96)
Button: D1.1 R25.2 U15.M2 | length 3.3
  Top Layer w0.1: D1.1@16.493,10.506 16.497,10.506 16.853,10.15 16.853,9.89 17.104,9.639 17.364,9.639 17.611,9.392 v2(17.948,9.392)
  Signal Layer 5 w0.1: v1(17.048,8.492) v2(17.948,9.392)
Buzzer: R22.1 U15.AK2 | length 8.6
  Top Layer w0.1: v3(24.348,6.492) 24.345,6.492 R22.1@24.4,6.547
  Signal Layer 5 w0.1: v1@17.048,4.892 17.098,4.842 17.274,4.842 17.324,4.792 19.072,4.792 20.087,5.807 20.719,5.807 v2(21.35,5.176)
  Signal Layer 2 w0.1: v2(21.35,5.176) 23.032,5.176 v3(24.348,6.492)
  other v1: 17.112,4.845
CC1: R72.1 USB.A5 | length 4.6
  Top Layer w0.1: USB.A5@8.45,14.96 8.887,14.96 9.453,15.526 10.206,15.526 10.789,16.109 10.789,17.235 10.348,17.676 R72.1@10.311,17.676
CC2: R73.1 USB.B5 | length 5.4
  Top Layer w0.1: USB.B5@6.41,13.36 6.86,12.91 6.86,12.532 7.85,11.542 7.85,10.509 7.516,10.175 v2(6.5,10.175)
  Bottom Layer w0.1: R73.1@6.5,9.694 v2(6.5,10.175)
D_N: FL1.2 USB.A7 USB.B7 | length 4.8
  Top Layer w0.15: v5(8.031,13.96) USB.A7@8.45,13.96
  Signal Layer 5 w0.15: USB.B7@7.31,14.61 7.84,14.08 v4(9.463,14.08)
  Signal Layer 2 w0.15: USB.B7@7.31,14.61 7.381,14.61 v5(8.031,13.96)
  Bottom Layer w0.15: v4(9.463,14.08) 9.695,14.312 FL1.2@10.339,14.312
D_P: FL1.1 USB.A6 USB.B6 | length 4.6
  Top Layer w0.15: USB.B6@7.31,13.81 7.96,14.46 USB.A6@8.45,14.46
  Signal Layer 5 w0.15: USB.B6@7.31,13.81 8.739,13.81 8.961,13.588 v4(9.177,13.588)
  Bottom Layer w0.15: v4(9.177,13.588) 9.198,13.567 9.798,13.567 10.043,13.812 FL1.1@10.339,13.812
ECG_CSB: U13.E6 U15.AA1 | length 15.1
  Signal Layer 5 w0.1: v1(17.448,6.692) 17.472,6.692 18.43,7.65 21.981,7.65 22.181,7.45 22.525,7.45 23.05,7.975 23.05,8.396 23.65,8.996 23.65,9.289 24.625,10.264 v2(24.625,10.267)
  Signal Layer 2 w0.1: v3(23.128,15.517) 23.567,15.079 23.567,11.883 23.997,11.453 23.997,10.865 24.595,10.267 v2(24.625,10.267)
ECG_FCLK: R69.2 U13.D5 | length 13.4
  Signal Layer 5 w0.1: v1(19.15,13.184) 19.15,12.735 19.875,12.011 19.875,9.799 19.575,9.499 19.575,8.977 19.807,8.744 20.35,8.744 20.398,8.793 v1(20.398,8.825)
  Signal Layer 2 w0.1: v2(22.438,13.567) 22.438,14.146 21.792,14.792 21.792,15.605 22.004,15.817 22.428,15.817 v3(22.628,16.017)
  Bottom Layer w0.1: v1(19.15,13.184) 19.585,12.75 21.118,12.75 21.385,13.017 22.19,13.017 22.438,13.265 v2(22.438,13.567) ; v1(20.398,8.825) 20.523,8.825 20.603,8.744 R69.2@20.775,8.573
ECG_INT: R60.2 U13.D2 U15.B14 | length 25.9
  Signal Layer 5 w0.1: v1(14.648,10.492) 15.056,10.492 15.346,10.202 15.346,9.664 15.893,9.117 16.556,9.117 17.548,10.109 17.548,10.97 15.508,13.01 15.508,15.425 15.253,15.68 15.253,17.503 v2(15.5,17.75)
  Signal Layer 2 w0.1: v2(15.5,17.75) 15.5,17.186 18.161,14.525 20.253,14.525 20.653,14.926 21.116,14.926 21.226,15.036 21.226,15.92 v3(21.128,16.017) 21.825,16.714 21.825,16.837 23.757,18.77 23.887,18.77 v3(24.177,19.06)
ECG_INT2: R61.2 U13.E2 U15.B16 | length 28.8
  Top Layer w0.1: v3(20.926,15.226) 20.926,15.315 U13.E2@21.128,15.517
  Signal Layer 5 w0.1: v1(14.248,10.492) 14.248,10.517 14.624,10.892 15.029,10.892 15.548,10.373 15.548,10.368 15.901,10.015 16.231,10.015 16.396,9.851 16.892,9.851 17.348,10.307 17.348,10.792 15.308,12.832 15.308,15.342 15.053,15.597 15.053,17.844 15.334,18.125 15.725,18.125 v2(16.1,17.75)
  Signal Layer 2 w0.1: v2(16.1,17.75) 16.1,16.869 18.244,14.725 20.012,14.725 20.328,15.041 20.328,16.142 20.547,16.36 21.185,16.36 21.625,16.8 21.625,16.932 24.094,19.401 24.225,19.401 24.401,19.577 24.401,19.884 23.961,20.325 v3(23.603,20.325) ; 20.328,15.226 v3(20.926,15.226)
ECG_SCLK: U13.E5 U15.AB2 | length 16.4
  Signal Layer 5 w0.1: v1(17.048,6.492) 17.072,6.492 17.24,6.325 17.505,6.325 17.748,6.568 17.748,6.685 18.513,7.45 21.898,7.45 22.098,7.25 22.608,7.25 23.25,7.892 23.25,8.313 23.975,9.038 23.975,9.331 24.322,9.679 v2(24.625,9.679)
  Signal Layer 2 w0.1: v3(22.651,15.551) 22.651,15.495 23.367,14.779 23.367,11.8 23.797,11.37 23.797,10.548 24.65,9.694 24.635,9.679 v2(24.625,9.679)
ECG_SDI: U13.E4 U15.AF2 | length 20.7
  Signal Layer 5 w0.1: v1(17.048,5.692) 17.774,5.692 18.218,6.137 18.991,6.137 19.905,7.05 20.786,7.05 22.151,5.685 22.151,4.969 22.427,4.694 22.837,4.694 23.08,4.937 23.08,5.73 22.475,6.335 22.475,6.834 23.45,7.809 23.45,8.23 24.35,9.13 v2(24.35,9.176)
  Signal Layer 2 w0.1: v3(22.128,15.517) 22.234,15.517 23.167,14.584 23.167,11.717 23.597,11.288 23.597,9.929 v2(24.35,9.176)